# Altium PCB PCB2.PcbDoc (part 2 of 2)
Units mil, origin at the board's own origin, x right, y up, seen from the top; angles counter-clockwise.
Board outline 1760.05 x 1122.25 mil, 6 copper layers (Top Layer, Layer 1, Layer 4, Layer 2, Layer 3, Bottom Layer), stack 37.712 mil thick; 128 components, 84 nets, 425 pads, 324 vias.
Unrouted connection lines stored in the file: 20.
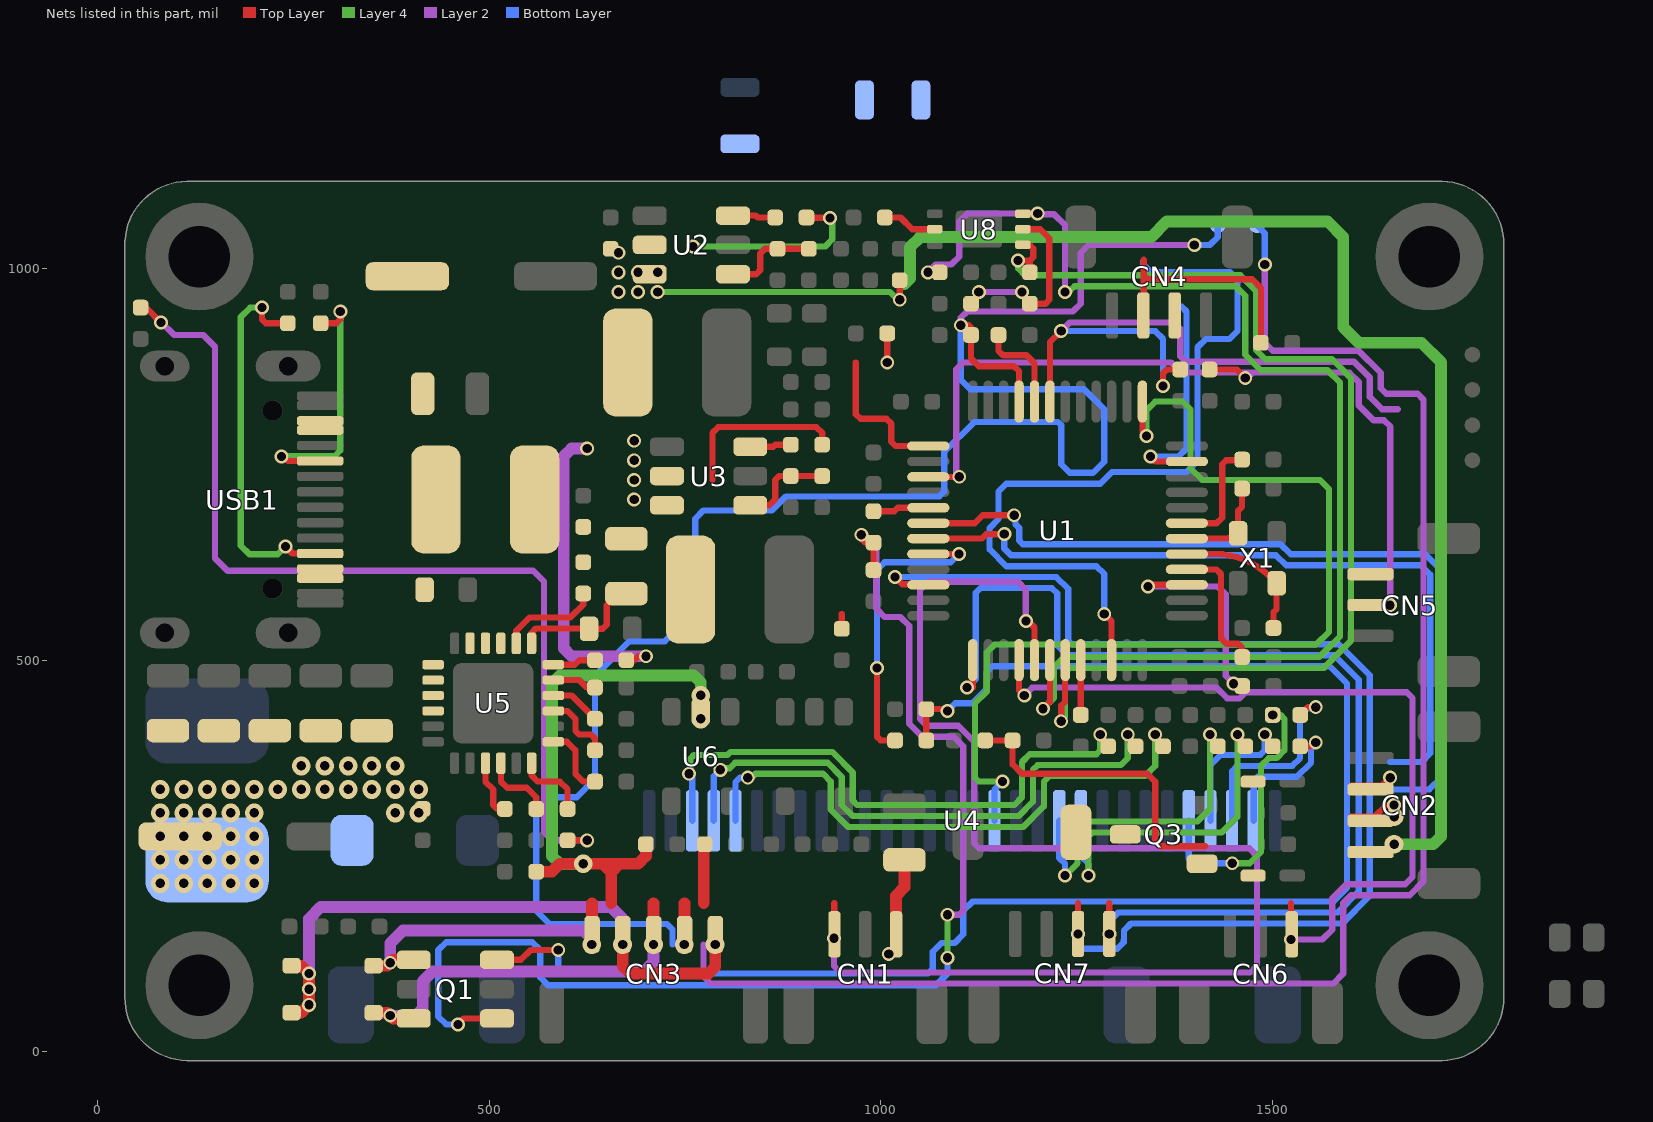
[diagram p6: the nets of this part, all layers, seen from the top]

## Via types
v1: diameter 17.72, hole 11.81, Top Layer to Bottom Layer, tented both sides, 251 vias
v2: diameter 24, hole 12, Top Layer to Bottom Layer, tented both sides, 73 vias

## Nets (pads, with @x,y where several pads share a name; then routed paths per layer and width w, separated by ;. In a path a pad name is that pad's centre, name@x,y a point inside that pad or via, vN(x,y) a via of type N, cw(c..) or ccw(c..) an arc to the next point about the centre after c; other vN are vias at no path point) (continued)
GND_SHUTTER: C3.1 C4.1 CN3.2 CN3.5 D3.1 D5.1 R6.1 TEST6.1 U6.2 | length 3749.9
  Top Layer w8: 773.74,190 775,191.26
  Top Layer w15: D3.1@247.66,50 260,50 v1(270,60) v1(270,80) v1(270,100) 260,110 D5.1@247.66,110 ; R6.1@560,230 580,230 590,240 v2(620,240) 645,240 ; 655.63,190 655.63,229.37 ; CN3.2@670.44,155 670.44,150 670.44,109.56 680,100 780,100 788.55,108.55 CN3.5@788.55,137.18 ; C3.1@700,265 700,250 690,240 666.26,240 ; 773.74,190 C4.1@773.74,265 ; 645,240 666.26,240 ; 645,240 655.63,229.37 ; 655.63,229.37 666.26,240
  Layer 2 w8: 773.37,137 773.37,96.63 782.86,87.14 1577.14,87.14 1590,100 1590,190 1600,200 1675,200 1692.54,217.54 1692.54,832.46 1685,840 1645,840 1638,847 1638,866.6 1609.6,895 1500,895 1490,905 v1(1490,1005)
  Layer 2 w15: v1(270,60) v1(270,80) v1(270,100) 270,170 285,185 655,185 670.26,169.74 v2(670.26,137)
  Layer 4 w15: v2(620,240) 590,240 580,250 580,470 590.5,480.5 761.21,480.5 770,471.71 v2(770,455) v2(770,425)
  Bottom Layer w8: TEST6.1@1480,1055 1490,1045 v1(1490,1005)
  other v2: 788.37,137
GPIO1: R3.2 U1.29 | length 71.9
  Top Layer w8: R3.2@990.5,690 1017,690 1021.53,694.53 U1.29@1060.5,694.53
GPIO2: R7.2 U1.32 | length 390
  Top Layer w8: v1(995,490) 995,402.19 999.69,397.5 R7.2@1018,397.5 ; U1.32@1060.5,635.47 v1(1099.53,635.47)
  Bottom Layer w8: v1(995,490) 995,615.4 1004.6,625 1089.06,625 v1(1099.53,635.47)
I2C1_SCL: R14.1 U1.42 U8.6 | length 1635.7
  Top Layer w8: v1(1060,995) R14.1@1075,995 ; U8.6@1181.2,1069.69 1181.36,1069.84 1199.84,1069.84 v1(1200,1070) ; v1(1207,438) 1215.66,446.66 U1.42@1215.66,500
  Layer 2 w8: v1(1060,995) 1070,1005 1090,1005 1100,1015 1100,1060 1110,1070 v1(1200,1070) 1200.86,1069.14 1220.86,1069.14 1235,1055 v1(1235,970)
  Layer 4 w8: v1(1207,438) 1220.86,451.86 1220.86,490.86 1234,504 1559.4,504 1586,530.6 1586,854 1570,870 1485,870 1465,890 1465,965 1452.86,977.14 1247.14,977.14 1241.86,971.86 1236.86,971.86 v1(1235,970)
I2C1_SDA: R15.2 U1.43 U8.4 | length 1465.5
  Top Layer w8: v1(1175,1010) 1190,1010 ; U8.4@1181.2,1030.32 1181.52,1030 1189.63,1030 1194.31,1025.31 1194.31,1014.31 1190,1010 ; R15.2@1194.31,995 R15.2@1190,995 1190,1010 ; v1(1230,422) 1230,442 1235,447 1235,499.66 U1.43@1235.34,500
  Layer 4 w8: v1(1175,1010) 1175,1000 1183.86,991.14 1458.86,991.14 1479,971 1479,895.8 1490.8,884 1575.8,884 1600,859.8 1600,524.8 1565.2,490 1240,490 1234.86,484.86 1234.86,426.86 v1(1230,422)
KEY: C35.2 CN4.3 U1.46 | length 1347.8
  Top Layer w8: v1(1285,559) 1294.4,549.6 U1.46@1294.4,500 ; CN4.3@1335.57,921.05 1335.57,981.05 ; 1335.57,1011.05 1335.57,991.05 ; C35.2@1485,905 1485,975 1473.95,986.05 1340.57,986.05 ; 1335.57,981.05 1335.57,991.05 ; 1335.57,981.05 1340.57,986.05 ; 1335.57,991.05 1340.57,986.05
  Bottom Layer w8: v1(1285,559) 1285,610 1275,620 1160.2,620 1138.65,641.55 1138.65,668.65 1150,680 1150,715 1160,725 1270,725 1270.14,725.14 1279.94,725.14 1294.8,740 1390,740 1404,754 1404,899 1415,910 1445,910 1455,920 1455,985.58 1445.58,995 1345,995 1335.57,1004.43 1335.57,1010
MICROSWITCH1: CN5.3 R36.2 U1.19 | length 845.5
  Top Layer w8: U1.19@1215.66,830 1215.66,905.66 v1(1230,920) ; v1(1360,850) 1360,866.31 1364.69,871 R36.2@1382,871
  Layer 2 w8: v1(1230,920) 1241,931 1374,931 1382,923 1382,888 1389,881 1603.8,881 1624,860.8 1624,836 1639.69,820.32 1659.69,820.32
  Bottom Layer w8: v1(1230,920) 1350,920 1360,910 v1(1360,850)
MICROSWITCH2: CN5.2 R37.2 U1.27 | length 1127.9
  Top Layer w8: U1.27@1060.5,733.9 1099.9,733.9 v1(1100,734) ; R37.2@1419.5,871 1454,871 v1(1465,860) ; CN5.2@1600,570.31 1649.69,570.31 v1(1649.84,570.16)
  Layer 2 w8: v1(1100,734) 1096.14,737.86 1096.14,871.14 1105,880 1370.2,880 1383.2,867 1474.63,867 ; v1(1465,860) 1467.63,860 1474.63,867 ; v1@1650,570.16 1650,798.33 1642.02,806.32 1628.69,806.32 1610,825 1610,855 1598,867 1474.63,867
NetBUZZER1_2: BUZZER1.2 D8.2 Q3.3
NetC5_2: C5.2 U1.7 | length 144
  Top Layer w8: U1.7@1390.5,674.84 1428.34,674.84 1435.5,682 1435.5,750 1440.5,755 1460,755 C5.2@1461,756
NetC12_1: C12.1 D4.1 Q3.1 R18.1 | length 398.7
  Top Layer w8: C12.1@1133,397.5 R18.1@1168,397.5 1168,367 1180,355 1340,355 1350,345 1350,270 1357.4,262.6 1414.06,262.6
NetC14_1: C14.1 L1.1 U3.2 | length 221.2
  Top Layer w8: 785,730 785,790 792.5,797.5 917.5,797.5 925,790 C14.1@925,775
NetC14_2: C14.2 U3.6 | length 52.9
  Top Layer w8: U3.6@833.15,772.4 862.4,772.4 865,775 C14.2@885,775
NetC17_1: C17.1 L2.1 U2.2 | length 241.9
  Top Layer w8: C17.1@905,1065 905.25,1064.75 934.75,1064.75 v1(935,1064.5)
  Layer 4 w8: v1(760,1028) 929,1028 938,1037 v1@938,1067
NetC17_2: C17.2 U2.6 | length 54.9
  Top Layer w8: U2.6@811.15,1067.4 811.25,1067.5 840,1067.5 842.5,1065 C17.2@865,1065
NetC19_2: C19.2 R11.2 U8.5 | length 237.3
  Top Layer w8: C19.2@1115,955 1115,955.54 1123.14,963.68 1123.14,968.14 v1(1125,970) ; v1(1180,970) 1181.86,968.14 1181.86,963.68 1190,955.54 R11.2@1190,955 1210,955 1215,960 1215,1038.31 1203.31,1050.01 U8.5@1181.2,1050.01
  Layer 2 w8: v1(1125,970) v1(1180,970)
NetC20_1: C20.1 U4.4 | length 187.2
  Top Layer w8: v1(1490,405) 1491.86,403.14 1491.86,398.68 1500,390.54 C20.1@1500,390
  Bottom Layer w8: U4.4@1420.59,295 1420.59,365.59 1434,379 1484,379 1490,385 v1(1490,405)
NetC20_2: C20.2 U4.5 | length 353.8
  Layer 4 w8: v1(1448.46,240.77) 1470.77,240.77 1485,255 1485,365 1495,375 1505,375 1515,385 1515,425 1510,430 v1(1500,430)
  Bottom Layer w8: U4.5@1393.03,295 1393.03,246.97 1399.23,240.77 v1(1448.46,240.77)
NetC30_2: C30.2 U5.19 U5.20
NetC31_1: C31.1 L4.1 U5.15 U5.16 U5.17
NetC31_2: C31.2 U5.14 | length 129.5
  Top Layer w8: U5.14@534.53,521.46 534.53,537.56 551.47,554.5 603.7,554.5 620,570.8 C31.2@620,585
NetC33_2: C33.2 R28.1 U5.13 | length 170.1
  Top Layer w8: U5.13@554.21,521.46 554.21,535.02 559.69,540.5 626.94,540.5 C33.2@627.44,540 645,540 650,545 650,570 665,585 R28.1@675,585
NetC34_1: C34.1 U4.2 | length 184.1
  Top Layer w8: C34.1@1535,390 1550,390 v1(1555,395)
  Bottom Layer w8: U4.2@1475.71,295 1475.71,345.71 1481,351 1530.8,351 1549,369.2 1549,389 v1(1555,395)
NetC34_2: C34.2 U4.3 | length 260.3
  Top Layer w8: C34.2@1535,430 1545,440 v1(1555,440)
  Bottom Layer w8: U4.3@1448.15,295 1448.15,358.15 1455,365 1525,365 1535,375 1535,430 1543.14,438.14 1553.14,438.14 v1(1555,440)
NetC38_2: C38.2 U4.27 | length 744.9
  Top Layer w8: v1(1315,405) 1316.86,403.14 1316.86,398.68 1325,390.54 C38.2@1325,390
  Layer 4 w8: v1(795,360) 796.86,361.86 806.86,361.86 813.86,368.86 931.94,368.86 950,350.8 950,315 964,301 1175.8,301 1194,319.2 1194,360 1200,366 1306,366 1315,375 v1(1315,405)
  Bottom Layer w8: U4.27@786.73,295 786.73,351.73 v1(795,360)
NetC39_2: C39.2 U4.28 | length 752.1
  Top Layer w8: v1(1280,405) 1281.86,403.14 1281.86,398.68 1290,390.54 C39.2@1290,390
  Layer 4 w8: v1(755,355) 756.86,356.86 756.86,374.36 761.36,378.86 804.06,378.86 808.06,382.86 937.74,382.86 964,356.6 964,320.8 969.8,315 1170,315 1180,325 1180,370 1190,380 1275,380 1280,385 v1(1280,405)
  Bottom Layer w8: v1(755,355) 759.17,350.83 U4.28@759.17,295
NetCN1_3: CN1.3 L3.1 | length 79.4
  Top Layer w15: CN1.3@1019.37,165 1019.37,199.37 1030,210 L3.1@1030,240
  other v1: 1010,125
NetD1_2: D1.2 R1.2 | length 19
  Top Layer w8: R1.2@950,540 950,559
NetD2_2: D2.2 R4.2 | length 37
  Top Layer w8: v1(1008,880) R4.2@1008,917
NetD6_1: D6.1 R21.1 | length 1227.1
  Top Layer w8: D6.1@55,950 D6.1@56.71,950 ; D6.1@56.16,950.54 D6.1@56.71,950 ; v1(81,931) 62,950 D6.1@56.71,950 ; R21.1@600,269.46 R21.1@600.54,270 ; R21.1@600,270 R21.1@600.54,270 ; R21.1@602.54,272 R21.1@600.54,270 ; v1(625,270) R21.1@600.54,270
  Layer 2 w8: v1@81,932 98,915 135,915 150,900 150,630 165.98,614.02 555.98,614.02 570,600 570,280 580,270 v1(625,270)
NetQ1_1: Q1.1 R2.1 R3.1 | length 1594.6
  Top Layer w8: v1(460,35) 467.6,42.6 Q1.1@510,42.6 ; v1(975,660) 975,655 980,650 R3.1@990.5,650 R2.1@990.5,615
  Layer 2 w8: v1(975,660) 994.14,640.86 994.14,565.86 1005,555 1025,555 1036,544 1036,419 1052.86,402.14 1092.86,402.14 1105,390 1105,180 1100,175 v1(1085,175)
  Layer 4 w8: v1(1085,120) v1(1085,175)
  Bottom Layer w8: v1(460,35) 445,35 435,45 435,130 445,140 555,140 565,130 565,95 575,85 1070,85 1085,100 v1(1085,120)
NetQ1_3: Q1.3 R7.1 R8.2 | length 2079.2
  Top Layer w8: Q1.3@510,117.4 540.31,117.4 552.91,130 v1(588.12,130) ; R7.1@1058,397.5 R8.2@1058,437.5 ; R8.2@1060.5,435 R8.2@1058,437.5 ; v1(1085,435) 1082.5,437.5 R8.2@1058,437.5
  Bottom Layer w8: v1(588.12,130) 588.12,106.88 594.86,100.14 1060.14,100.14 1066.14,106.14 1066.14,127.81 1077.19,138.86 1093.86,138.86 1105,150 1105,180 1116.86,191.86 1577.26,191.86 1595,209.6 1595,470 1572.86,492.14 1142.14,492.14 1134.86,484.86 1134.86,463.19 1116.67,445 1095,445 v1(1085,435)
NetR5_2: R5.2 U1.20 | length 121.6
  Top Layer w8: R5.2@1150,915 1150,895 1155.79,889.21 1185.79,889.21 1195.97,879.03 U1.20@1195.97,830
NetR9_1: R9.1 R12.2 U3.4 | length 122
  Top Layer w8: U3.4@833.15,697.6 857.6,697.6 865,705 865,730 870,735 R12.2@885,735 R9.1@925,735
NetR10_2: R10.2 U1.44 | length 79.1
  Top Layer w8: R10.2@1255,425 1257.5,427.5 R10.2@1259.97,429.97 ; U1.44@1255.03,500 1255.03,434.97 R10.2@1260,430
NetR16_1: R16.1 U1.3 | length 295.9
  Top Layer w8: v1(1341,594) 1343.1,596.1 U1.3@1390.5,596.1 ; v1(1450,470) 1464,470 1467,467 R16.1@1461,467
  Layer 2 w8: v1(1341,594) 1430,594 1440,584 1440,480 v1(1450,470)
NetR17_1: R17.1 U1.4 | length 171.9
  Top Layer w8: U1.4@1390.5,615.79 1428.21,615.79 1434.08,609.92 1434.08,527.92 1441,521 1456,521 1461,516 R17.1@1461,504
NetR19_2: R19.2 U5.3 | length 74.9
  Top Layer w8: U5.3@495,368.39 U5.3@495.16,368.55 495.16,344.84 505,335 505,315 510,310 R19.2@520,310
NetR20_2: R20.2 USB1.A5 | length 345.1
  Top Layer w8: v1(235,760) 237.63,760 243.42,754.21 USB1.A5@284.21,754.21 USB1.A5@284.61,754.61 ; R20.2@285,930 305,930 310,935 v1(310,945.15)
  Layer 4 w8: v1(235,760) 235.42,760.42 302.79,760.42 310,767.63 v1(310,945.15)
NetR21_2: R21.2 U5.6 | length 93.9
  Top Layer w8: U5.6@554.21,368.55 554.21,352.79 562,345 590,345 600,335 R21.2@600,310
NetR22_1: R22.1 USB1.B5 | length 491.2
  Top Layer w8: v1(210,950) 210,934.85 214.85,930 R22.1@243,930 ; v1(240,645) 248.9,636.1 USB1.B5@284.21,636.1 ; USB1.B5@282.31,638.01 USB1.B5@284.21,636.1 ; USB1.B5@284.76,635.55 USB1.B5@284.21,636.1
  Layer 4 w8: v1(210,950) 195,950 183,938 183,646 194,635 230,635 v1(240,645)
NetR23_2: R23.2 U5.7 | length 91.9
  Top Layer w8: U5.7@581.7,395.79 599.21,395.79 610,385 610,355 620,345 R23.2@635,345
NetR24_1: R24.1 R29.2 U2.4 | length 122.6
  Top Layer w8: U2.4@811.15,992.6 840.6,992.6 846,998 846,1019 852,1025 R24.1@868,1025 R29.2@908,1025
NetR25_2: R25.2 U5.9 | length 91.6
  Top Layer w8: U5.9@581.7,435.16 581.86,435 600,435 610,425 610,410 615,405 630,405 635,400 R25.2@635,385
NetR26_2: R26.2 U5.11 | length 57.2
  Top Layer w8: U5.11@581.7,474.53 615.27,474.53 624.8,465 R26.2@635,465
NetR27_1: R27.1 U5.12 | length 56.8
  Top Layer w8: U5.12@582.49,495 U5.12@581.7,494.21 609.21,494.21 615,500 R27.1@635,500
NetR32_2: R32.2 U5.4 | length 91.9
  Top Layer w8: U5.4@514.84,368.55 515,368.38 515,345 523,337 548,337 560,325 R32.2@560,310
NetR34_1: R34.1 U8.2 | length 70
  Top Layer w8: R34.1@1005,1065 1025,1065 1039.99,1050.01 U8.2@1068.8,1050.01
NetR35_2: R35.2 U4.10 | length 449
  Top Layer w8: v1(1455,405) 1456.86,403.14 1456.86,398.68 1465,390.54 R35.2@1465,390
  Layer 4 w8: v1(1265,225) 1265,275.4 1269.6,280 1435,280 1455,300 v1(1455,405)
  Bottom Layer w8: U4.10@1255.24,295 1255,294.76 1255,250 1265,240 v1(1265,225)
NetR38_2: R38.2 U4.11 | length 430.9
  Top Layer w8: v1(1420,405) 1421.86,403.14 1421.86,398.68 1430,390.54 R38.2@1430,390
  Layer 4 w8: v1(1235,225) 1251,241 1251,281.2 1263.8,294 1404,294 1420,310 v1(1420,405)
  Bottom Layer w8: U4.11@1227.68,295 1227.68,247.32 1235,240 v1(1235,225)
NetR42_1: R42.1 U4.26 | length 748.4
  Top Layer w8: v1(1350,405) 1351.86,403.14 1351.86,398.68 1360,390.54 R42.1@1360,390
  Layer 4 w8: v1(830,350) 831.86,351.86 836.86,351.86 839.86,354.86 926.14,354.86 936,345 936,309.2 958.2,287 1181.6,287 1208,313.4 1208,345 1215,352 1337,352 1350,365 v1(1350,405)
  Bottom Layer w8: U4.26@814.29,295 814.29,344.29 820,350 v1(830,350)
NetR45_2: R45.2 U5.10 | length 65.7
  Top Layer w8: U5.10@581.7,454.84 605.16,454.84 R45.2@635,425
PB12: D2.1 U1.25 | length 188.8
  Top Layer w8: 968,880 968,814 974,808 1007,808 1013,802 1013,779 1018.73,773.27 U1.25@1060.5,773.27
RES: U1.13 U4.14 | length 1296.8
  Top Layer w8: U1.13@1333.77,830 1333.77,791.23 v1(1339,786)
  Layer 4 w8: v1@1155,347.63 v1(1155,345) 1124.69,345 1120,349.69 1120,445 1135,460 1135,510 1145,520 1555.6,520 1572,536.4 1572,718 1560,730 1410,730 1395,745 1395,820 1385,830 1350,830 1339,819 v1(1339,786)
  Bottom Layer w8: U4.14@1145,295 1145,335 v1(1155,345)
RGB: CN4.2 U1.11 | length 321.5
  Top Layer w8: v1(1344,760) 1350.42,753.58 U1.11@1390.5,753.58 ; CN4.2@1374.94,921.05 1374.94,950.42 CN4.2@1375.57,951.05
  Bottom Layer w8: v1(1344,760) 1380,760 1390,770 1390,945 1383.95,951.05 1375.57,951.05
SERVO: CN1.1 U1.41 | length 1752
  Top Layer w8: v1(940,145) 940.31,145.31 940.31,189.68 940.63,190 ; v1(1185,550) 1187.63,550 1195.97,541.66 U1.41@1195.97,500 U1.41@1195,500.97
  Layer 2 w8: v1(940,145) 940,110 948.86,101.14 1471.14,101.14 1480,110 1480,250 1470,260 1125,260 1119,266 1119,395.8 1098.66,416.14 1058.66,416.14 1050,424.8 1050,590 1060,600 1175,600 1185,590 v1(1185,550)
SHUTTER_Back: CN3.1 D5.2 Q1.4 | length 407.6
  Top Layer w15: D5.2@352.34,110 370,110 v1(373.7,113.7) 377.4,117.4 Q1.4@403.7,117.4 ; CN3.1@631.07,137.18 631.07,150 631.07,189.81
  Layer 2 w15: v1(373.7,113.7) 373.7,138.7 390,155 620,155 630.89,144.11 v2(630.89,137)
SHUTTER_Front: CN3.3 D3.2 Q1.6 | length 514.6
  Top Layer w15: D3.2@352.34,50 370,50 v1(373.7,46.3) 377.4,42.6 Q1.6@403.7,42.6 ; CN3.3@709.81,137.19 709.81,150 709.82,189.82
  Layer 2 w15: v1(373.7,46.3) 374.22,45.78 405.78,45.78 415,55 415,90 427.64,102.64 697.64,102.64 709.63,114.63 v2(709.63,137)
SHUTTER_T2: CN3.4 R13.1 TEST7.1 U1.21 | length 2478.9
  Top Layer w8: v2(749,137) CN3.4@749.19,137.18 ; 749.18,189.82 749.37,190 ; v1(1102,927.5) 1112,927.5 1115,924.5 R13.1@1115,915 1115,885 1124.79,875.21 1169.79,875.21 1176.29,868.71 U1.21@1176.29,830
  Top Layer w15: CN3.4@749.19,137.18 749.18,189.82
  Layer 2 w8: v1(1102,927.5) 1102,937 1110,945 1245,945 1255,955 1255,1020 1265,1030 v1(1400,1030)
  Bottom Layer w8: 734,137 734,156 726.69,163.31 576.69,163.31 560,180 560,305 580,325 611.6,325 635,348.4 635,480 678.86,523.86 724.06,523.86 763,562.8 763,680.56 773.44,691 860.8,691 878.8,709 1074.4,709 1080.75,715.35 1080.75,765.75 1118.86,803.86 1226.14,803.86 1230,800 1230,750 1240.86,739.14 1270.81,739.14 1285,753.33 1285,820 1259.14,845.86 1114.14,845.86 1102,858 v1(1102,927.5) ; v1(1400,1030) 1420,1030 1430,1040 TEST7.1@1430,1055
SWCLK: CN7.4 U1.37 | length 1406.5
  Top Layer w8: v1(1110,465) 1117.23,465 U1.37@1117.23,500 ; v1(1291.5,150.5) 1291.5,190
  Bottom Layer w8: v1(1110,465) 1120.86,475.86 1120.86,585.86 1127,592 1218.2,592 1225,585.2 1225,519 1237.86,506.14 1578.66,506.14 1610,474.8 1610,204.8 1583.06,177.86 1302.86,177.86 1291.5,166.5 v1(1291.5,150.5)
SWDIO: CN7.3 U1.34 | length 1488.2
  Top Layer w8: v1(1018,606) 1027.13,596.87 1059.73,596.87 U1.34@1060.5,596.1 ; v1(1251.5,150.5) 1251.5,190
  Bottom Layer w8: v1(1018,606) 1224,606 1239,591 1239,524.8 1243.66,520.14 1584.46,520.14 1624,480.6 1624,199 1588.86,163.86 1319.22,163.86 1310.36,155 1310.36,142.69 1310,142.33 1310,140 1301.64,131.64 1258.36,131.64 1251.5,138.5 v1(1251.5,150.5)
TIM3_CH1: CN6.3 U1.40 | length 1045.8
  Top Layer w8: U1.40@1176.29,500 1176.29,461.71 v1(1183,455) ; v1(1523.37,143.37) 1523.37,190
  Layer 2 w8: v1(1183,455) 1193,465 1428.33,465 1442.19,451.14 1457.81,451.14 1465.53,458.86 1671.14,458.86 1678.54,451.46 1678.54,223.34 1669.2,214 1594.2,214 1576,195.8 1576,156 1563.37,143.37 v1(1523.37,143.37)
U1_RX: CN2.3 U1.31 | length 1012.9
  Top Layer w8: U1.31@1060.5,655.16 1128.49,655.16 1134.17,660.84 v1(1157.51,660.84) ; CN2.3@1600,340 1640,340 v1(1650,350)
  Bottom Layer w8: v1(1157.51,660.84) 1157.51,642.49 1166,634 1504.2,634 1517.2,621 1689.2,621 1701,609.2 1701,381 1690,370 1650,370
U1_TX: CN2.2 U1.30 | length 1095.3
  Top Layer w8: U1.30@1060.5,674.84 1119.84,674.84 1130,685 v1(1170,685) ; CN2.2@1600,300 1630,300 1645,315 v1(1655,315)
  Bottom Layer w8: v1(1170,685) 1171.86,683.14 1171.86,673.16 1176.37,668.65 1176.37,652.69 1181.06,648 1510,648 1523,635 1695,635 1715,615 1715,350 1700,335 1655,335
VBAT: C15.1 C16.1 C18.2 C21.2 C27.1 C28.1 C29.1 CN2.1 D7.1 H1.2 R31.2 U2.3 U3.3 U5.21 U5.22 U9.1 | length 1890.8
  Top Layer w8: v1(1024,960) R31.2@1024,985
  Layer 4 w8: v1(715,970) 1011.37,970 1021.37,960 v1(1024,960)
  Layer 4 w15: 1030,980 1037.02,987.02 1037.02,1027.02 1050,1040 1345,1040 1365,1060 1570,1060 1590,1040 1590,925 1610,905 1690,905 1715,880 1715,275 1705,265 v2(1655,265)
  other v1: 685,705 685,730 685,755 685,780 665,970 690,970 665,995 690,995 715,995 665,1020
  other v2: 80,215 110,215 140,215 170,215 200,215 80,245 110,245 140,245 170,245 200,245 80,275 110,275 140,275 170,275 200,275 1655,300 80,305 110,305 140,305 170,305 200,305 380,305 410,305 80,335 110,335 140,335 170,335 200,335 230,335 260,335 290,335 320,335 350,335 380,335 410,335 260,365 290,365 320,365 350,365 380,365
VUSB: C32.2 L4.2 R27.2 R28.2 R30.2 U12.1 USB1.A4 USB1.A9 USB1.B4 USB1.B9 | length 415.4
  Top Layer w8: R27.2@675,500 685,500 690,505 v1(700,505)
  Layer 2 w15: v1(625,770) 605,770 595,760 595,515 605,505 v1(700,505)
XTAL_A: C2.2 U1.5 X1.3 | length 184.6
  Top Layer w8: U1.5@1390.5,635.47 1426.32,635.47 cw(c1426.32,535.47) 1497.03,606.18 X1.3@1505.11,598.11 1505,598 1505,565 1501,561 C2.2@1501,541
XTAL_B: C1.1 U1.6 X1.1 | length 126.4
  Top Layer w8: U1.6@1390.5,655.16 1439.64,655.16 ccw(c1439.64,678.14) X1.1@1455.89,661.89 1455.89,690.89 1461,696 C1.1@1461,719
pads on no net: LED?.1 LED?.2 LED?.3 LED?.4 TEST1.1 TEST2.1 TEST3.1 TEST4.1 U1.2 U1.10 U1.12 U1.33 U1.38 U1.39 U2.5 U3.5 U4.7 U4.20 U5.5 U5.8 U5.23 U6.4 U7.4 USB1.0 USB1.A8 USB1.B8

## Polygon pours and split planes (outlines as drawn)
GND on Layer 1 (split plane): 1721.73,1090.75 1728.36,1089.62 1734.83,1087.76 1741.05,1085.19 1746.94,1081.93 1752.42,1078.04 1757.44,1073.55 1761.93,1068.53 1765.82,1063.05 1769.07,1057.16 1771.65,1050.94 1773.51,1044.47 1774.64,1037.84 1774.98,1031.71 1774.93,1031.12 1774.95,1030.87 1774.05,1030.92 1773.67,1030 1774.92,1030 1774.92,1030.03 1774.92,1030 1774.92,1029.93 1774.92,1029.86 1774.91,1029.71 1774.91,70.29 1774.92,70.14 1774.92,70.07 1774.98,69.43 1774.95,69.78 1773.77,69.76 1774.05,69.08 1774.95,69.13 1774.93,68.88 1774.98,68.29 1774.95,67.65 1774.91,67.24 1774.91,66.63 1773.66,63.62 1774.72,63.62 1774.64,62.16 1773.51,55.53 1771.65,49.06 1769.07,42.84 1765.82,36.95 1761.93,31.47 1757.44,26.45 1752.42,21.96 1746.94,18.07 1741.05,14.81 1734.83,12.24 1728.36,10.38 1721.73,9.25 1716.42,8.95 1716.2,8.97 1716.16,8.97 1716.12,8.97 1716.15,8.97 1716.15,10.21 1716.13,10.22 1716.11,10.21 1716.11,10.22 1716.08,10.21 1716.08,10.2 1715.89,10.12 1715.9,8.97 114.1,8.97 114.11,10.12 113.87,10.22 113.87,8.97 113.84,8.97 113.8,8.97 113.58,8.95 108.27,9.25 101.64,10.38 95.17,12.24 88.95,14.81 83.06,18.07 77.58,21.96 72.56,26.45 68.07,31.47 64.18,36.95 60.93,42.84 58.35,49.06 56.49,55.53 55.36,62.16 54.98,68.88 54.98,68.9 55.08,69.75 55.08,69.79 55.07,69.91 55.08,70.04 55.08,70.07 55.08,70.08 55.08,1029.96 55,1030.77 54.98,1031.12 55,1031.46 55.04,1031.9 56.33,1035 55.2,1035 55.36,1037.84 56.49,1044.47 58.35,1050.94 60.93,1057.16 64.18,1063.05 68.07,1068.53 72.56,1073.55 77.58,1078.04 83.06,1081.93 88.95,1085.19 95.17,1087.76 101.64,1089.62 108.27,1090.75 113.58,1091.05 113.78,1091.03 113.77,1089.83 113.87,1089.78 114.11,1089.88 114.1,1091.03 1715.9,1091.03 1715.89,1089.88 1716.08,1089.8 1716.08,1089.79 1716.11,1089.78 1716.11,1089.79 1716.13,1089.78 1716.15,1089.79 1716.18,1089.81 1716.18,1091.03 1716.2,1091.03 1716.42,1091.05
GND on Layer 1 (split plane): 113.85,1091.03 113.8,1091.03 113.85,1091.03
GND on Layer 1 (split plane): 1774.91,64.83 1774.8,63.69 1774.91,64.83
GND on Layer 1 (split plane): 1716.16,1091.03 1716.15,1091.03 1716.12,1091.03 1716.16,1091.03
GND on Layer 3 (split plane): 1721.73,1090.75 1728.36,1089.62 1734.83,1087.76 1741.05,1085.19 1746.94,1081.93 1752.42,1078.04 1757.44,1073.55 1761.93,1068.53 1765.82,1063.05 1769.07,1057.16 1771.65,1050.94 1773.51,1044.47 1774.64,1037.84 1774.98,1031.71 1774.93,1031.12 1774.95,1030.87 1774.05,1030.92 1773.67,1030 1774.92,1030 1774.92,1030.03 1774.92,1030 1774.92,1029.93 1774.92,1029.86 1774.91,1029.71 1774.91,70.29 1774.92,70.14 1774.92,70.07 1774.98,69.43 1774.95,69.78 1773.77,69.76 1774.05,69.08 1774.95,69.13 1774.93,68.88 1774.98,68.29 1774.95,67.65 1774.91,67.24 1774.91,66.63 1773.66,63.62 1774.72,63.62 1774.64,62.16 1773.51,55.53 1771.65,49.06 1769.07,42.84 1765.82,36.95 1761.93,31.47 1757.44,26.45 1752.42,21.96 1746.94,18.07 1741.05,14.81 1734.83,12.24 1728.36,10.38 1721.73,9.25 1716.42,8.95 1716.2,8.97 1716.16,8.97 1716.12,8.97 1716.15,8.97 1716.15,10.21 1716.13,10.22 1716.11,10.21 1716.11,10.22 1716.08,10.21 1716.08,10.2 1715.89,10.12 1715.9,8.97 114.1,8.97 114.11,10.12 113.87,10.22 113.87,8.97 113.84,8.97 113.8,8.97 113.58,8.95 108.27,9.25 101.64,10.38 95.17,12.24 88.95,14.81 83.06,18.07 77.58,21.96 72.56,26.45 68.07,31.47 64.18,36.95 60.93,42.84 58.35,49.06 56.49,55.53 55.36,62.16 54.98,68.88 54.98,68.9 55.08,69.75 55.08,69.79 55.07,69.91 55.08,70.04 55.08,70.07 55.08,70.08 55.08,1029.96 55,1030.77 54.98,1031.12 55,1031.46 55.04,1031.9 56.33,1035 55.2,1035 55.36,1037.84 56.49,1044.47 58.35,1050.94 60.93,1057.16 64.18,1063.05 68.07,1068.53 72.56,1073.55 77.58,1078.04 83.06,1081.93 88.95,1085.19 95.17,1087.76 101.64,1089.62 108.27,1090.75 113.58,1091.05 113.78,1091.03 113.77,1089.83 113.87,1089.78 114.11,1089.88 114.1,1091.03 1715.9,1091.03 1715.89,1089.88 1716.08,1089.8 1716.08,1089.79 1716.11,1089.78 1716.11,1089.79 1716.13,1089.78 1716.15,1089.79 1716.18,1089.81 1716.18,1091.03 1716.2,1091.03 1716.42,1091.05
GND on Layer 3 (split plane): 113.85,1091.03 113.8,1091.03 113.85,1091.03
GND on Layer 3 (split plane): 1774.91,64.83 1774.8,63.69 1774.91,64.83
GND on Layer 3 (split plane): 1716.16,1091.03 1716.15,1091.03 1716.12,1091.03 1716.16,1091.03

## Keep-outs
Bottom Layer:
  region: 620,680

## Other copper
Top Layer:
  region net NetBUZZER1_2: 1228.13,320.63 1222.5,315 1222.5,245 1227.5,240 1332.5,240 1337.5,245 1337.5,315 1331.87,320.63
  region net VBAT: 1570,285 1575,290 1635,290 1640,295 1640,310 1645,315 1665,315 1670,310 1670,255 1665,250 1645,250 1640,255 1640,265 1635,270 1575,270 1570,275
  region net 3V3_IC: 1030,380 1025,375 1025,365 1030,360 1065,360 1075,350 1075,245 1080,240 1130,240 1140,250 1140,350 1135,355 1095,355 1070,380
  region net 3V3_IC: 893.87,273.87 890,270 890,245 885,240 860,240 855,235 855,210 860,205 920,205 925,210 925,235 930,240 940,240 945,245 945,270 932.69,270 929.25,273.44
  pour cut-out: 465,800 515,800 515,630 465,630
  region net 3V3_SHUTTER: 385,90 430,90 435,95 435,125 440,130 475,130 480,125 480,95 485,90 525,90 525,70 410,70
  region net 3V3_SHUTTER: 385,70 430,70 435,65 480,65 485,70 525,70 525,90 410,90
  region net GND: 65,465 50,480 50,500 60,510 365,510 375,500 375,480 360,465
  region net +5_SERVO: 865,660 860,660 845,645 845,525 825,505 795,505 790,500 790,475 795,470 850,470 855,475 855,495 880,520 910,520 915,525 915,655 925,665 935,665 940,670 940,705 935,710 915,710 910,705 910,680 905,675 850,675 845,670 845,640
  region net +5: 785,950 780,950 770,940 770,820 780,810 825,810 835,820 835,900 845,910 930,910 940,920 940,945 930,955 890,955 880,965 880,990 875,995 860,995 855,990 855,975 845,965 790,965 770,945 770,940
  region net VBAT: 655,1005 640,1020 640,1035 645,1040 665,1040 670,1035 670,1015 680,1005 725,1005 725,975 710,960 660,960 655,965
  region net NetC14_1: 710,725 755,725 760,720 760,675 755,670 730,670 725,665 725,530 735,520 810,520 820,530 820,670 815,675 800,675 790,685 790,740 785,745 710,745
  region net NetC17_1: 765,1040 775,1030 775,970 755,950 755,930 755,835 730,810 655,810 645,820 645,940 655,950 720,950 740,970 740,1015 735,1020 685,1020 685,1040
  region net VBAT: 675,785 675,695 680,690 745,690 745,710 695,710 690,715 690,785
  region net VUSB: 555,890 560,885 565,880 565,820 570,815 600,815 610,805 610,750 615,745 635,745 645,735 645,695 635,685 615,685 610,680 610,655 615,650 635,650 655,630 695,630 700,635 700,675 695,680 675,680 665,690 665,785 655,795 640,795 630,805 630,930 620,940 475,940 465,950 465,880 475,890
  region net NetC30_2: 390,480 390,615 395,620 420,620 425,615 425,535 410,520 410,505 415,500 440,500 440,470 400,470
  region net VBAT: 50,290 50,425 65,440 380,440 400,460 440,460 440,430 410,430 400,420 400,350 405,345 425,345 430,340 430,300 425,295 405,295 390,310 240,310 220,290
  region net VBAT: 65,305 50,290 50,205 65,190 205,190 220,205 220,290 205,305
  region net VUSB: 330,815 325,810 325,800 335,790 435,790 450,805 450,865 465,880 465,1040 455,1050 340,1050 330,1040
  region net NetC31_1: 595,645 600,640 630,640 635,635 635,615 630,610 600,610 595,605 595,575 586.5,566.5 546.5,566.5 520,540 520,535 515,535 470,535 470,548 476,554 500,554 512.5,566.5 512.5,624.5 512.5,787.5 525,800 585,800 595,790
  region net NetC31_1: 470,535 470,510 520,510 520,535
  region net VUSB: 240,775 220,775 215,770 215,635 225,625 250,625 255,620 310,620 310,600 250,600 245,605 235,615 180,615 165,630 165,780 180,795 230,795 245,810 275,810
  region net VUSB: 265,810 265,790 370,790 390,770 390,645 400,635 455,635 465,645 465,790 450,805 450,875 445,880 395,880 390,875 390,815 385,810
Layer 2:
  region net 3V3_IC: 1196.25,173.75
  region net 3V3_IC: 1180,200 1450,200 1460,190 1460,145 1450,135 1430,135 1420,145 1420,175 1415,180 1202.5,180 1190,167.5
  region net 3V3_IC: 1055,210 1055,160 1060,155 1160,155 1165,160 1165,195 1170,200 1180,200 1190,190 1190,145 1180,135 1030,135 1020,145 1020,250 1010,260 1065,260 1055,250
  region net 3V3_IC: 970,350 975,355 975,400 985,390 1080,390 1090,380 1090,270 1080,260 1065,260 1055,250 1055,220 1035,200 820,200 820,205 830,215 830,235 840,245 905,245 915,255 915,340 925,350
  region: 945,360
Layer 4:
  region net VBAT: 1012.5,995 1025,995 1030,1000 1030,1040 1045,1055 1260,1055 1285,1080 1585,1080 1605,1060 1605,945 1620,930 1715,930 1730,915 1730,255 1720,245 1640,245 1630,255 1630,300 1640,310 1680,310 1690,320 1690,860 1675,875 1615,875 1585,905 1520,905 1510,915 1510,1030 1495,1045 1415,1045 1370,1045 1355,1030 1055,1030 1045,1020 1045,985
  region net VBAT: 655,965 660,960 722.22,960 732.22,970 970,970 990,950 990,920 995,915 1040,915 1045,920 1045,985 1035,995 990,995 985,1000 985,1015 985,1010 980,1015 775,1015 770,1010 660,1010 655,1005 655,1000
Bottom Layer:
  region net VBAT: 640,705 640,630 635,625 570,625 565,620 565,560 555,550 387.5,550 375,537.5 375,460 365,450 255,450 245,440 245,355 235,345 70,345 63,338 63,200 72,191 350,191 365,205 365,240 380,255 415,255 425,265 425,330 427.5,332.5 440,345 440,480 460,500 592.5,500 657.5,565 705,565 720,580 720,710 645,710
  region net VBAT: 650,1035 640,1025 640,690 720,690 720,1025 710,1035

## Silkscreen, mask and mechanical layers (free items; w line width, h text height)
Top Overlay:
  text "Point" at 1580,840 h60 r20
  text "Point" at 1580,785 h60 r20
  text "Point" at 1580,730 h60 r20
  text "Point" at 1580,680 h60 r20
  text ":D" at 410,180 h80
Bottom Overlay:
  drawing of 2329 lines, arcs and shapes, not listed
  text "dreamView" at 551.25,1003.59 h60
  text "Core" at 648.59,904.21 h73
  text "Rev.2.31" at 554.08,840.71 h70
  text "无理造物" at 555,427.72 h64.17
  text "JLCJLCJLCJLC" at 1280,380 h60
  text "Design by / @tuiwan" at 550,347.44 h60
  text "+" at 232.5,227.5 h60
  text "3S Input" at 550,150 h60
Top Solder:
  text "M2*4" at 215,1050 h50
  text "It's / so / holy" at 1500,950 h60
  text "M2*4" at -301.91,37.11 h47.24
Bottom Solder:
  text "M2*4" at 1617.89,1044.31 h50
  text "M2*4" at -215.09,37.11 h47.24
Mechanical 1:
  lines w10: 40,67.78 40,1035 ; 40,70 ccw(c114.99,68.88) 113.87,-6.11 1716.11,-6.11 ; 40,1030 cw(c114.99,1031.12) 113.87,1106.11 1716.11,1106.11 ; 1716.13,-6.11 ccw(c1715.01,68.88) 1790,70 ; 1716.13,1106.11 cw(c1715.01,1031.12) 1790,1030 ; 1789.99,63.62 1789.99,1030 ; 1789.99,1030 ccw(c1790,1030.01) 1790,1030
Drill Drawing:
  text ".legend" at -12,1555 h60